# Altium PCB PCB.PcbDoc (part 1 of 2)
Units mm, origin at the board's own origin, x right, y up, seen from the top; angles counter-clockwise.
Board outline 50 x 63.5 mm, 2 copper layers (Top Layer, Bottom Layer), stack 1.509 mm thick; 102 components, 51 nets, 270 pads, 67 vias.
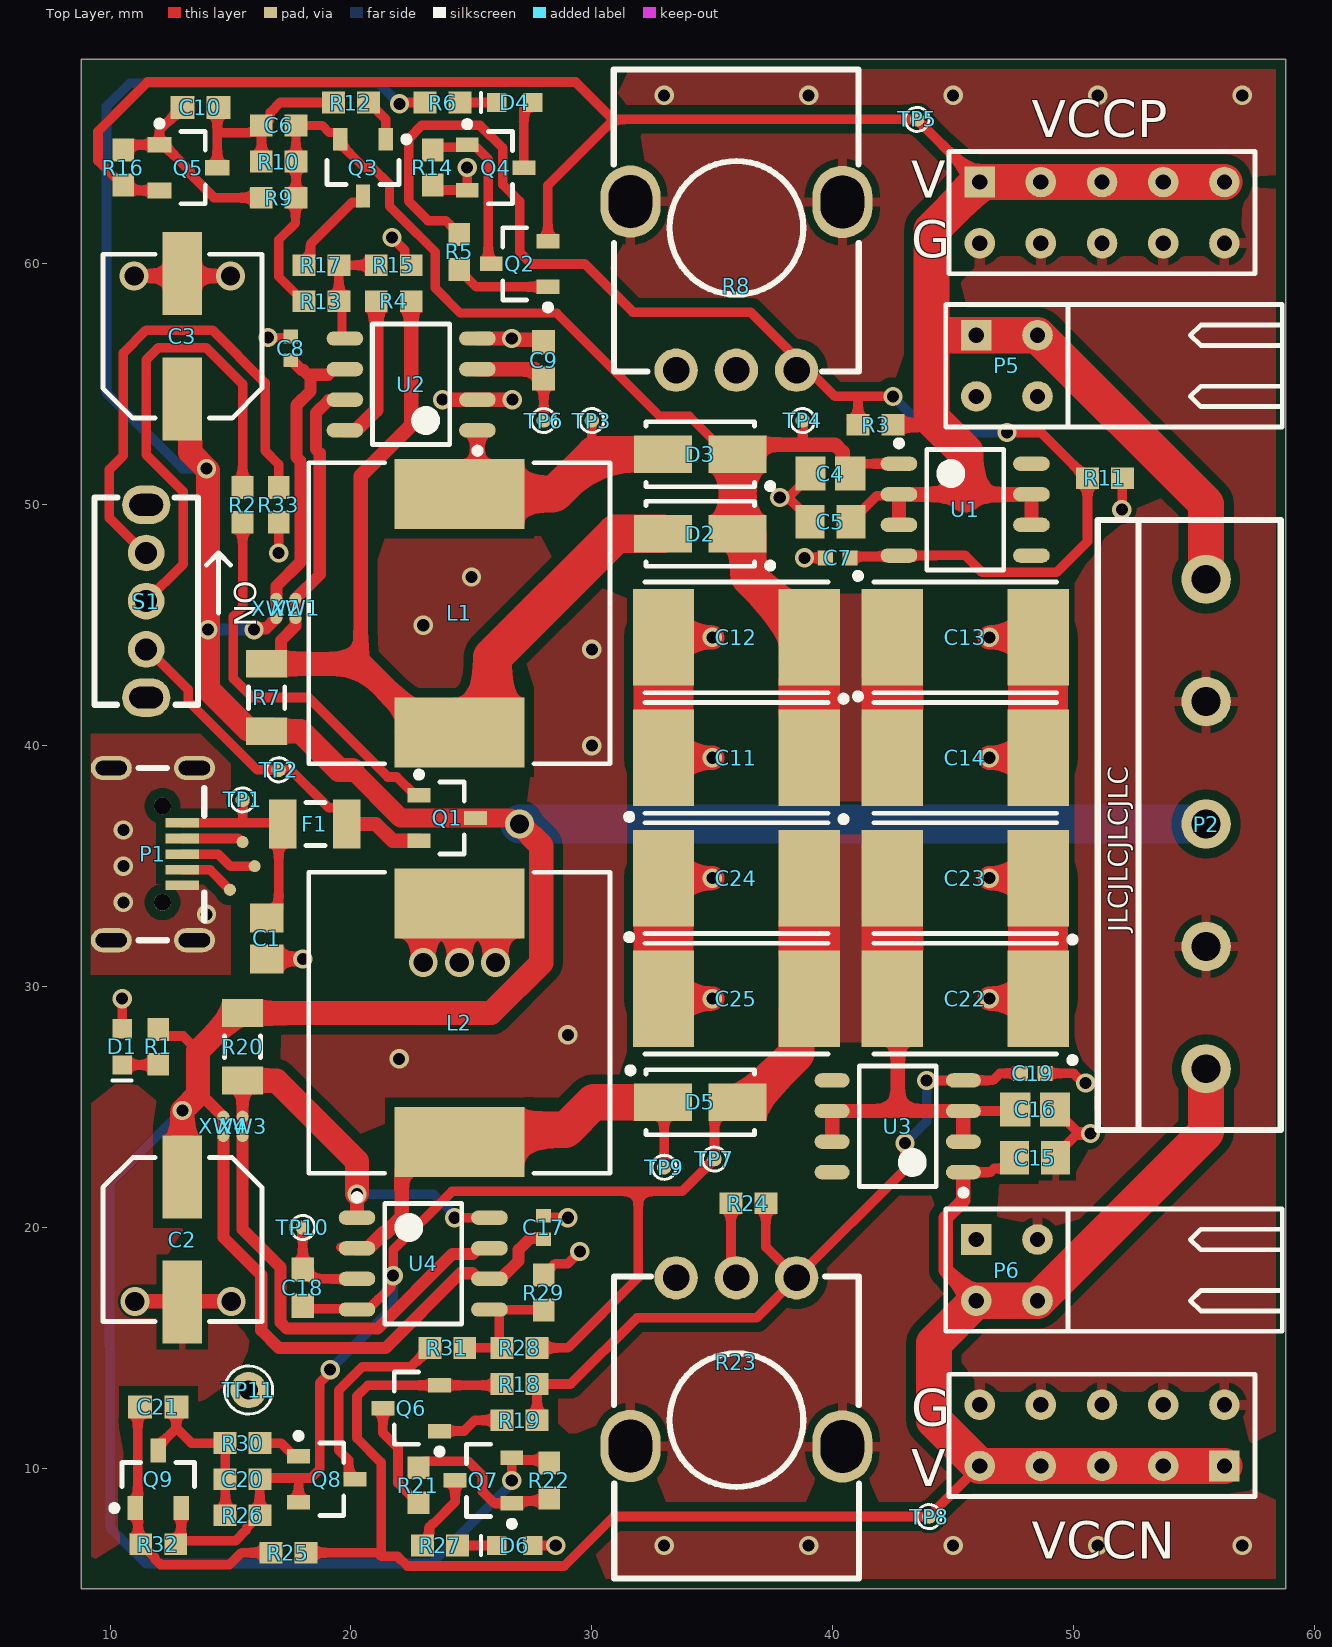
[diagram p0: Top Layer view]
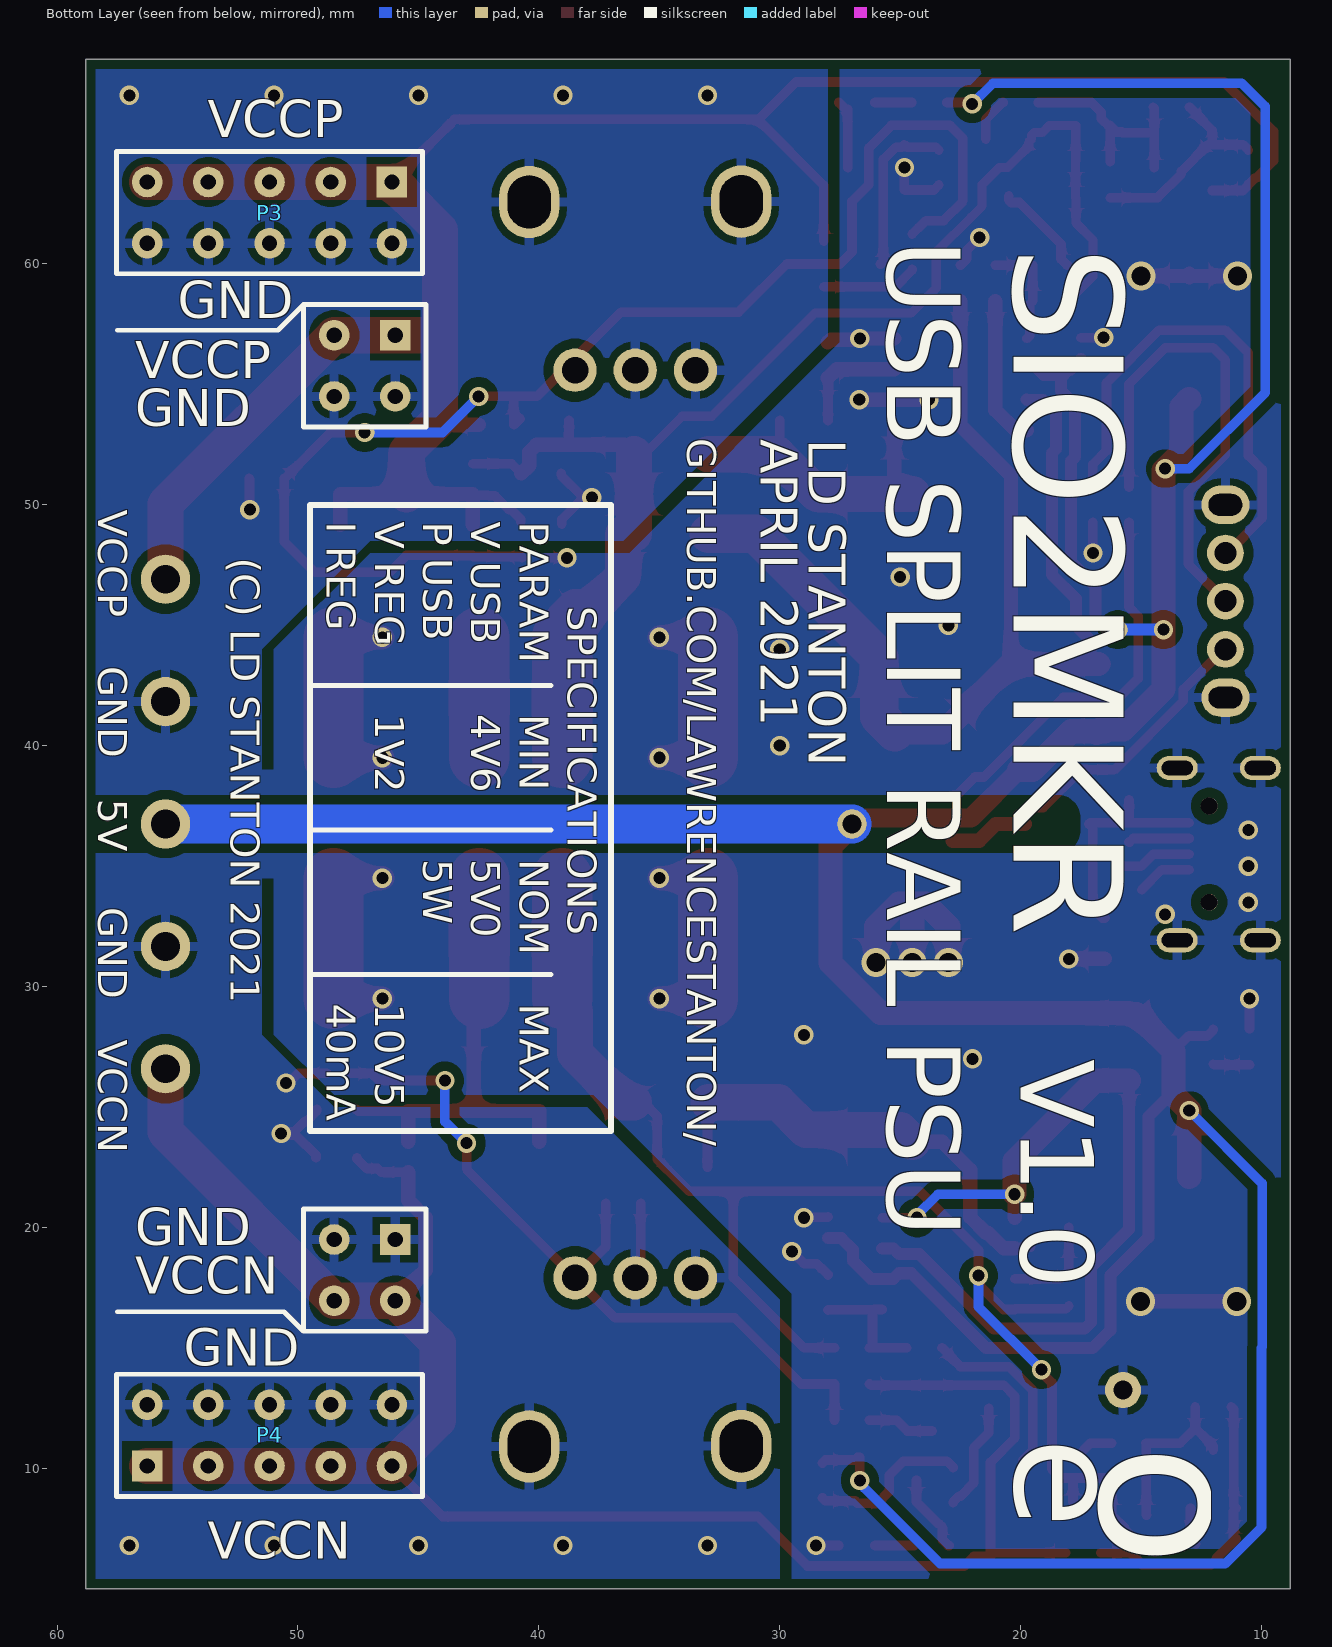
[diagram p1: Bottom Layer view, seen from below]
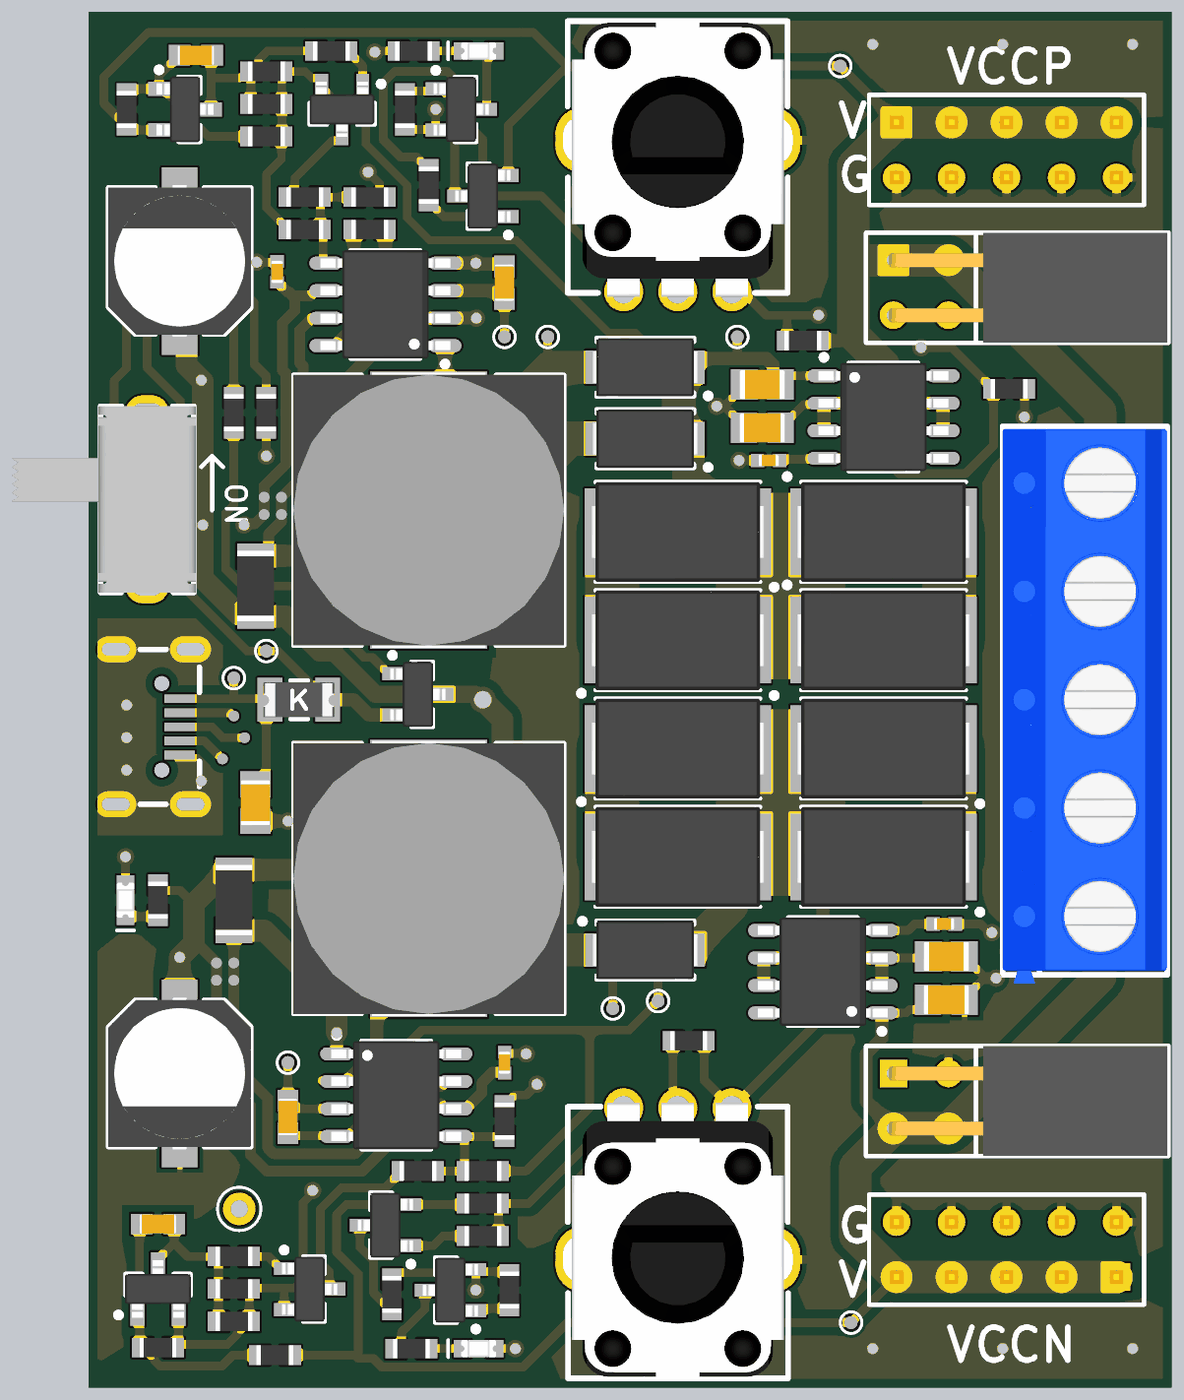
[diagram p3: 3D render of the assembled board from above, using the file's embedded part models]

## Layer stack, top to bottom
Top Solder: solder mask 0.0254, SM-001, Dk 4
Top Layer: signal copper 0.035
Dielectric 1: core 1.4392, FR-4, Dk 4.5
Bottom Layer: signal copper 0.035
Bottom Solder: solder mask 0.0254, SM-001, Dk 4

## Board outline
8.8,5 8.8,68.5 58.8,68.5 58.8,5

## Design rules (kind name [scope] priority, off if disabled: settings)
BoardOutlineClearance [All] p1: gap=0.4 ignorepadtopadclearanceinfootprint=FALSE except(0.2: Text-OutlineEdge Text-CavityEdge Text-CutoutEdge Text-SplitBarrior Text-SplitContinuation)
Clearance "PTH to Track" [(PadIsPlated = 'True') and (HoleSize > 0) vs IsTrack = 'True'] p1: gap=0.33 ignorepadtopadclearanceinfootprint=TRUE
Clearance "NPTH to Track" [(PadIsPlated = 'False') and (HoleSize > 0) vs IsTrack = 'True'] p2: gap=0.254 ignorepadtopadclearanceinfootprint=TRUE
Clearance "Clearance Different Nets" [All] p3: gap=0.4 ignorepadtopadclearanceinfootprint=TRUE except(0.127: Arc-Arc Arc-Track Track-Track SMDPad-SMDPad; 0.15: Arc-Text Track-Text SMDPad-THPad SMDPad-Via SMDPad-Text SMDPad-Hole THPad-Via THPad-Text THPad-Hole Via-Text Via-Hole Fill-Text Poly-Text Region-Text Text-Text Text-Hole; 0.2: Arc-SMDPad Track-SMDPad; 0.254: Arc-Via Arc-Hole Track-Via Track-Hole Via-Via; 0.33: Arc-THPad Track-THPad; 0.5: THPad-THPad)
Clearance "Clearance Same Nets" [All] p4: gap=0.15 ignorepadtopadclearanceinfootprint=TRUE except(0.2: Arc-SMDPad Track-SMDPad; 0.254: Arc-Via Arc-Hole Track-Via Track-Hole Via-Via; 0.33: Arc-THPad Track-THPad)
ComponentClearance "Clearnance SOIC-(0402, 0603, 0805, 1206)" [IsSOIC vs HasFootprint('0402_050') OR HasFootprint('0402_050_5_N') OR  HasFootprint('0603_080_8_N') OR HasFootprint('0603_080_8_N') OR HasFootprint('0605_065_A_N') OR HasFootprint('0805') OR  HasFootprint('0805_125_F_N') OR HasFootprint('1206') OR  HasFootprint('1206_060')] p1: gap=0.4 collisioncheckmode=3 verticalgap=0.254 showdistances=FALSE
ComponentClearance "Clearnance SOT-(0402, 0603, 0805, 1206)" [HasFootprint('SOT-23-3 (2N7002)') OR HasFootprint('SOT-23-3 Generic') vs HasFootprint('0402_050') OR HasFootprint('0402_050_5_N') OR  HasFootprint('0603_080_8_N') OR HasFootprint('0603_080_8_N') OR HasFootprint('0605_065_A_N') OR HasFootprint('0805') OR  HasFootprint('0805_125_F_N') OR HasFootprint('1206') OR  HasFootprint('1206_060')] p2: gap=0.2 collisioncheckmode=3 verticalgap=0.254 showdistances=FALSE
ComponentClearance "Clearnance SOT-(SOIC, SOT)" [HasFootprint('SOT-23-3 (2N7002)') OR HasFootprint('SOT-23-3 Generic') vs IsSOIC OR HasFootprint('SOT-23-3 (2N7002)') OR HasFootprint('SOT-23-3 Generic')] p3: gap=0.2 collisioncheckmode=3 verticalgap=0.254 showdistances=FALSE
ComponentClearance "Clearnance SOIC-SOIC" [IsSOIC vs IsSOIC] p4: gap=0.5 collisioncheckmode=3 verticalgap=0.254 showdistances=FALSE
ComponentClearance "Clearance 0603-(0402, 0603)" [HasFootprint('0603_080_8_N') OR HasFootprint('0603_080_8_N') OR HasFootprint('0605_065_A_N') vs HasFootprint('0402_050') OR HasFootprint('0402_050_5_N') OR HasFootprint('0603_080_8_N') OR HasFootprint('0603_080_8_N') OR HasFootprint('0605_065_A_N')] p5: gap=0.18 collisioncheckmode=3 verticalgap=0.254 showdistances=FALSE
ComponentClearance "Clearance 0805-(0603, 0805)" [HasFootprint('0805') OR  HasFootprint('0805_125_F_N') vs HasFootprint('0603_080_8_N') OR HasFootprint('0603_080_8_N') OR HasFootprint('0605_065_A_N') OR HasFootprint('0805') OR  HasFootprint('0805_125_F_N')] p6: gap=0.18 collisioncheckmode=3 verticalgap=0.254 showdistances=FALSE
ComponentClearance "Clearance 1206-(0402, 0603, 0805)" [HasFootprint('1206') OR  HasFootprint('1206_060') vs HasFootprint('0402_050') OR HasFootprint('0402_050_5_N') OR  HasFootprint('0603_080_8_N') OR HasFootprint('0603_080_8_N') OR HasFootprint('0605_065_A_N') OR HasFootprint('0805') OR  HasFootprint('0805_125_F_N')] p7: gap=0.25 collisioncheckmode=3 verticalgap=0.254 showdistances=FALSE
ComponentClearance "Clearance 1206-1206" [HasFootprint('1206') OR  HasFootprint('1206_060') vs HasFootprint('1206') OR  HasFootprint('1206_060')] p8: gap=0.35 collisioncheckmode=3 verticalgap=0.254 showdistances=FALSE
ComponentClearance "Clearance 0805-0402" [HasFootprint('0805') OR HasFootprint('0805_125_F_N') vs HasFootprint('0402_050') OR HasFootprint('0402_050_5_N')] p9: gap=0.2 collisioncheckmode=3 verticalgap=0.254 showdistances=FALSE
ComponentClearance "Clearance 0402-0402" [(HasFootprint('0402_050') or HasFootprint('0402_050_5_N')) vs (HasFootprint('0402_050') OR HasFootprint('0402_050_5_N'))] p10: gap=0.15 collisioncheckmode=3 verticalgap=0.15 showdistances=FALSE
ComponentClearance [All] p11: gap=0.254 collisioncheckmode=3 verticalgap=0.254 showdistances=FALSE
DiffPairsRouting [All] p1: maxlimit=0.5 minlimit=0.2 mostfreqgap=0.3 toplayer_minwidth=0.3 toplayer_maxwidth=0.5 toplayer_prefwidth=0.5 bottomlayer_minwidth=0.3 bottomlayer_maxwidth=0.5 bottomlayer_prefwidth=0.5 maxuncoupledlength=12.7
HoleSize "Plated Slot" [(PadIsPlated = 'True') and (HoleType = 'Slot')] p1: absolutevalues=TRUE maxlimit=6.5 minlimit=0.65 maxpercent=80.000 minpercent=20.000
HoleSize "Nonplated Slot" [(PadIsPlated = 'False') and (HoleType = 'Slot')] p2: absolutevalues=TRUE maxlimit=6.5 minlimit=1 maxpercent=80.000 minpercent=20.000
HoleSize "NPTH Hole Size" [PadIsPlated = 'False'] p3: absolutevalues=TRUE maxlimit=6.5 minlimit=0.5 maxpercent=80.000 minpercent=20.000
HoleSize "PTH Hole Size" [PadIsPlated = 'True'] p4: absolutevalues=TRUE maxlimit=6.35 minlimit=0.2 maxpercent=80.000 minpercent=20.000
HoleSize "THT Hole Size" [IsPad] p5: absolutevalues=TRUE maxlimit=6.35 minlimit=0.7 maxpercent=80.000 minpercent=20.000
HoleSize [All] p6: absolutevalues=TRUE maxlimit=6.3 minlimit=0.3 maxpercent=80.000 minpercent=20.000
HoleToHoleClearance [All] p1: gap=0.5 allowstackedmicrovias=FALSE
MinimumAnnularRing "PTH Minimum Annular Ring" [PadIsPlated = 'True'] p1: minimumring=0.3
MinimumAnnularRing [All] p2: minimumring=0.13
MinimumSolderMaskSliver [All] p1: minsoldermaskwidth=0.2
PolygonConnect "No TR" [Name = 'NoTR'] p1: connectstyle=Direct reliefconductorwidth=0.254 reliefentries=4 polygonreliefangle="90 Angle" airgapwidth=0.254
PolygonConnect [All] p2: thpad.connectstyle=Relief thpad.reliefconductorwidth=0.4 thpad.reliefentries=4 thpad.polygonreliefangle="90 Angle" thpad.airgapwidth=0.3 smdpad.connectstyle=Relief smdpad.reliefconductorwidth=0.254 smdpad.reliefentries=4 smdpad.polygonreliefangle="90 Angle" smdpad.airgapwidth=0.254 via.connectstyle=Direct via.reliefconductorwidth=0.254 via.reliefentries=4 via.polygonreliefangle="90 Angle" via.airgapwidth=0.254
RoutingVias [All] p1: holewidth=0.5 width=0.8 viastyle="Through Hole" minholewidth=0.3 minwidth=0.6 maxholewidth=1 maxwidth=1.2
SilkToSolderMaskClearance [IsPad] p1 off: minsilkscreentomaskgap=0.254 clearancetoexposedcopper=TRUE
SolderMaskExpansion [All] p1: expansion=0.1 istentingtop=FALSE
Width [All] p1: maxlimit=2.5 minlimit=0.127 preferedwidth=0.4 minimp=50.000000 maximp=50.000000 favimp=50.000000
24 further rules are at their usual default settings.

## Classes and differential pairs
differential pair INV_VCC: +INV_VCC_P -INV_VCC_N
differential pair BOOST_VCC: +BOOST_VCC_P -BOOST_VCC_N

## Components (designator, comment, footprint, x,y, rotation, side; value= is the part's Value field where it differs from the comment)
C1 "CL21B103KBANNNC" 0605_065_A_N 16.5,32 r270 top value=10nF
C2 "RVT1A221M0605" "CAPAE 6354" 13,19.5 r90 top value=220uF
C3 "RVT1A221M0605" "CAPAE 6354" 13,57 r270 top value=220uF
C4 "CC0805KRX7R9BB104" 0805 39.9,51.3 r180 top value=100nF
C5 "CL21B105KBFNNNE" 0805_125_F_N 39.9,49.3 r180 top value=1uF
C6 "CC0603KRX7R9BB104" 0603 17,65.75 r180 top value=100nF
C7 "0402CG3R3C500NT" 0402_050 40.2,47.8 r180 top value=3.3pF
C8 "CL05B104KO5NNNC" 0402_050_5_N 17.5,56.5 r90 top value=100nF
C9 "CL10A105KB8NNNC" 0603_080_8_N 28,56 r90 top value=1uF
C10 "CL10C100JB8NNNC" 0603_080_8_N 13.75,66.5 r0 top value=10pF
C11 "293D107X9016D2TE3" "CASE D" 36,39.5 r0 top value=100uF
C12 "293D107X9016D2TE3" "CASE D" 36,44.5 r0 top value=100uF
C13 "293D107X9016D2TE3" "CASE D" 45.5,44.5 r180 top value=100uF
C14 "293D107X9016D2TE3" "CASE D" 45.5,39.5 r180 top value=100uF
C15 "CL21B105KBFNNNE" 0805_125_F_N 48.4,22.9 r0 top value=1uF
C16 "CC0805KRX7R9BB104" 0805 48.4,24.9 r0 top value=100nF
C17 "CL05B104KO5NNNC" 0402_050_5_N 28,20 r90 top value=100nF
C18 "CL10A105KB8NNNC" 0603_080_8_N 18,17.5 r270 top value=1uF
C19 "0402CG3R3C500NT" 0402_050 48.3,26.4 r0 top value=3.3pF
C20 "CC0603KRX7R9BB104" 0603 15.5,9.55 r180 top value=100nF
C21 "CL10C100JB8NNNC" 0603_080_8_N 12,12.55 r0 top value=10pF
C22 "293D107X9016D2TE3" "CASE D" 45.5,29.5 r0 top value=100uF
C23 "293D107X9016D2TE3" "CASE D" 45.5,34.5 r0 top value=100uF
C24 "293D107X9016D2TE3" "CASE D" 36,34.5 r180 top value=100uF
C25 "293D107X9016D2TE3" "CASE D" 36,29.5 r180 top value=100uF
D1 "19-217/GHC-YR1S2/3T" "LED 0603" 10.5,27.5 r270 top
D2 "SS34" DO-214AC 34.5,48.8 r0 top
D3 "SS34" DO-214AC 34.5,52.1 r0 top
D4 "19-217/GHC-YR1S2/3T" "LED 0603" 26.8,66.7 r180 top
D5 "SS34" DO-214AC 34.5,25.2 r180 top
D6 "19-217/GHC-YR1S2/3T" "LED 0603" 26.8,6.8 r180 top
F1 "12H1300C" 1206_060 18.5,36.75 r0 top
L1 "SWRB1207S-331MT" SWRB1207S 24.5,45.5 r90 top value=330uH
L2 "SWRB1207S-331MT" SWRB1207S 24.5,28.5 r270 top value=330uH
P1 "MICRO 4P DIP" "MICRO 4P DIP" 13,35.5 r270 top
P2 "CZM5,08-4E" "Screw Down 5" 55.5,36.75 r270 top
P3 "A2541WV-2x5P" "Pin Header 10 2 Vertical Male" 51.18,62.13 r270 bottom locked
P4 "A2541WV-2x5P" "Pin Header 10 2 Vertical Male" 51.18,11.37 r90 bottom locked
P5 "A2541HWR-2x2P" "PIN HEADER 4 2 RIGHT FEMALE" 47.23,55.77 r0 top
P6 "A2541HWR-2x2P" "PIN HEADER 4 2 RIGHT FEMALE" 47.23,18.23 r0 top
Q1 "AO3401A" "SOT-23-3 (2N7002)" 24,37 r180 top
Q2 "LBSS84LT1G" "SOT-23-3 (2N7002)" 27,60 r0 top
Q3 "LBSS84LT1G" "SOT-23-3 (2N7002)" 20.5,64 r90 top
Q4 "2N7002" "SOT-23-3 (2N7002)" 26,64 r180 top
Q5 "SS8050" "SOT-23-3 GENERIC" 13.25,64 r180 top
Q6 "2N7002" "SOT-23-3 (2N7002)" 22.5,12.5 r0 top
Q7 "LBSS84LT1G" "SOT-23-3 (2N7002)" 25.5,9.5 r0 top
Q8 "2N7002" "SOT-23-3 (2N7002)" 19,9.55 r180 top
Q9 "SS8050" "SOT-23-3 GENERIC" 12,9.55 r270 top
R1 "0603WAF3300T5E" 0603 12,27.5 r270 top value=330R
R2 "0603WAF1002T5E" 0603 15.5,50 r270 top value=10K
R3 "0603WAF2400T5E" 0603 41.775,53.32 r180 top value=240R
R4 "0603WAF1200T5E" 0603 21.775,58.45 r180 top value=120R
R5 "0603WAF1200T5E" 0603 24.5,60.5 r270 top value=120R
R6 "0603WAF3300T5E" 0603 23.8,66.7 r180 top value=330R
R7 "1206W4F680LT5E" 1206 16.5,42 r270 top value=0R68
R8 "RK09K1130AU2" RK09K113 36,61.5 r0 top
R9 "0603WAF2702T5E" 0603 17,62.75 r180 top value=27K
R10 "0603WAF2702T5E" 0603 17,64.25 r180 top value=27K
R11 "0603WAF2701T5E" 0603 51.3,51.1 r0 top value=2K7
R12 "0603WAF1002T5E" 0603 20,66.7 r0 top value=10K
R13 "0603WAF5601T5E" 0603 18.775,58.45 r180 top value=5K6
R14 "0603WAF1003T5E" 0603 23.4,64 r90 top value=100K
R15 "0603WAF5602T5E" 0603 21.775,59.95 r0 top value=56K
R16 "0603WAF8201T5E" 0603 10.55,64 r270 top value=8K2
R17 "0603WAF5601T5E" 0603 18.775,59.95 r180 top value=5K6
R18 "0603WAF2400T5E" 0603 27,13.5 r0 top value=240R
R19 "0603WAF1200T5E" 0603 27,12 r180 top value=120R
R20 "1206W4F680LT5E" 1206 15.5,27.5 r90 top value=0R68
R21 "0603WAF1002T5E" 0603 22.8,9.3 r90 top value=10K
R22 "0603WAF1003T5E" 0603 28.225,9.5 r90 top value=100K
R23 "RK09K1130AU2" RK09K113 36,12 r180 top
R24 "0603WAF2701T5E" 0603 36.5,21 r180 top value=2K7
R25 "0603WAF2702T5E" 0603 17.4,6.5 r180 top value=27K
R26 "0603WAF2702T5E" 0603 15.5,8.05 r180 top value=27K
R27 "0603WAF3300T5E" 0603 23.7,6.8 r0 top value=330R
R28 "0603WAF5601T5E" 0603 27,15 r0 top value=5K6
R29 "0603WAF5602T5E" 0603 28,17.3 r90 top value=56K
R30 "0603WAF1002T5E" 0603 15.5,11.05 r0 top value=10K
R31 "0603WAF5601T5E" 0603 24,15 r0 top value=5K6
R32 "0603WAF8201T5E" 0603 12,6.85 r0 top value=8K2
R33 "0603WAF1200T5E" 0603 17,50 r90 top value=120R
S1 "SK12D07L4B" SK12D07L4B 11.5,46 r270 top
TP1 "Test Point" "Test Point 0.6" 15.5,37.75 r90 top
TP2 "Test Point" "Test Point 0.6" 17,39 r90 top
TP3 "Test Point" "Test Point 0.6" 30,53.5 r90 top
TP4 "Test Point" "Test Point 0.6" 38.75,53.5 r90 top
TP5 "Test Point" "Test Point 0.6" 43.5,66 r90 top
TP6 "Test Point" "Test Point 0.6" 28,53.5 r90 top
TP7 "Test Point" "Test Point 0.6" 35.09,22.84 r90 top
TP8 "Test Point" "Test Point 0.6" 44,8 r90 top
TP9 "Test Point" "Test Point 0.6" 33,22.5 r90 top
TP10 "Test Point" "Test Point 0.6" 18,20 r90 top
TP11 "Test Point" "Test Point 0.8 TH" 15.75,13.25 r90 top
U1 "LM317LBDR2G" "SOIC-8 NB" 45.5,49.8 r270 top
U2 "MC34063ADR2G" "SOIC-8 NB" 22.5,55 r90 top
U3 "LM337LMX" "SOIC-8 D (R-PDSO-G8)" 42.7,24.2 r90 top
U4 "MC34063ADR2G" "SOIC-8 NB" 23,18.5 r270 top
XW1 "Short 2 Nets" "Short 0.5mm 2 Net" 17.7,45.7 r270 top net-tie value=0
XW2 "Short 2 Nets" "Short 0.5mm 2 Net" 16.9,45.7 r270 top net-tie value=0
XW3 "Short 2 Nets" "Short 0.5mm 2 Net" 15.5,24.2 r90 top net-tie value=0
XW4 "Short 2 Nets" "Short 0.5mm 2 Net" 14.7,24.2 r90 top net-tie value=0

## Footprints (in the part's own frame and the unit in brackets; to place one, negate y for a bottom-side part, rotate by r counter-clockwise, add the part's x,y. Pads: shape width x height; smd on the part's side, far side on the other; paste and mask are expansions set on the pad)
0402_050 [mm] "Chip Capacitor, 2-Leads, Body 1,00x0,50mm, IPC Medium Density"
  rect 0.62x0.62 smd: 1(-0.51,0) 2(0.51,0)
  body extent -0.48,-0.28 0.48,0.28, height 0.55
0402_050_5_N [mm] "Chip Capacitor, 2-Leads, Body 1,00x0,50mm, IPC Medium Density"
  rect 0.57x0.62 smd: 1(-0.485,0) 2(0.485,0)
  body extent -0.53,-0.28 0.53,0.28, height 0.55
0603 [mm] "Chip Resistor, 2-Leads, Body 1,60x0,80mm, IPC Medium Density"
  rect 0.95x0.9 smd: 1(-0.725,0) 2(0.725,0)
  body extent -0.85,-0.45 0.85,0.45, height 0.55
0603_080_8_N [mm] "Chip Capacitor, 2-Leads, Body 1,60x0,80mm, IPC Medium Density"
  rect 1x0.95 smd: 1(-0.75,0) 2(0.75,0)
  body extent -0.85,-0.45 0.85,0.45, height 0.9
0605_065_A_N [mm] "Chip Capacitor, 2-Leads, Body 2,00x1,25mm, IPC Medium Density"
  rect 1.2x1.4 smd: 1(-0.85,0) 2(0.85,0)
  body extent -1.05,-0.67 1.05,0.67, height 0.75
0805 [mm] "Chip Capacitor, 2-Leads, Body 2,00x1,25mm, IPC Medium Density"
  rect 1.25x1.4 smd: 1(-0.825,0) 2(0.825,0)
  body extent -1.05,-0.67 1.05,0.67, height 0.9
0805_125_F_N [mm] "Chip Capacitor, 2-Leads, Body 2,00x1,25mm, IPC Medium Density"
  rect 1.2x1.4 smd: 1(-0.85,0) 2(0.85,0)
  body extent -1.05,-0.67 1.05,0.67, height 1.35
1206 [mm] "Chip Resistor, 2-Leads, Body 3,10x1,58mm, IPC Medium Density"
  rect 1.15x1.7 smd: 1(-1.4,0) 2(1.4,0)
  silkscreen extent -0.45,-0.75 0.45,0.75, body extent -1.63,-0.85 1.63,0.85, height 0.65
1206_060 [mil] "Fuse 1206 0.6mm"
  rect 45x80 smd: 1(-52.5,0) 2(52.5,0)
  silkscreen extent -15,-35 16,35, body extent -65,-32 65,32, height 32
"CAPAE 6354" [mm] "Aluminum Electrolytic Capacitor, Body 6,60x6,50x5,90mm, IPC Low Density"
  rect 3.45x1.65 smd: 1(2.6,0) 2(-2.6,0)
  silkscreen extent -3.4,-3.3 3.4,3.3, body extent -3.5,-3.3 3.5,3.3, height 5.9
"CASE D" [mm] "Molded Capacitor, 2-Leads, Body 7,30x4,30mm, IPC Medium Density"
  rect 2.55x4 smd: 1(3.025,0) 2(-3.025,0)
  silkscreen extent -3.8,-2.67 4.58,2.3, body extent -4.02,-2.3 4.02,2.3, height 3.1
DO-214AC [mm] "Molded Diode, 2-Leads, Body 4,25x2,50mm, IPC Medium Density"
  rect 2.4x1.55 smd: 1(1.55,0) 2(-1.55,0)
  silkscreen extent -2.25,-1.45 3.03,1.35, body extent -2.47,-1.35 2.47,1.35, height 2.2
"LED 0603" [mm] "Chip LED, 2-Leads, Body 1,60x0,80mm, IPC Medium Density"
  rect 0.8x0.8 smd: A(0.75,0) K(-0.75,0)
  silkscreen extent 1.4,-0.4 1.4,0.4, body extent -0.8,-0.4 0.8,0.4, height 0.8
"MICRO 4P DIP" [mm] "Micro USB Connector SMT with TH Mounts"
  rect 0.4x1.4 smd: 1(-1.3,0) 2(-0.65,0) 3(0,0) 4(0.65,0) 5(1.3,0)
  oval 1x1.7 hole 0.6 slot 1.3 at 90 deg: 6(-3.575,0.5) 6(-3.575,-2.95) 6(3.575,0.5) 6(3.575,-2.95)
  round 0.7 hole 0.7 unplated: ""(-2,-0.825) ""(2,-0.825)
  silkscreen extent -3.57,-1.82 3.57,0.91, body extent -4,-5.5 4,1.1, height 2.77
"PIN HEADER 4 2 RIGHT FEMALE" [mm] "Pin Header 4 Way Double Row Female Right Anglel 100mil Spacing"
  rect 1.27x1.27 hole 0.635: 1(-1.27,1.27)
  round 1.27 hole 0.635: 2(1.27,1.27) 3(-1.27,-1.27) 4(1.27,-1.27)
  silkscreen extent -2.54,-2.54 11.43,2.54, body extent -1.47,-2.54 11.37,2.54, height 5.13
"Pin Header 10 2 Vertical Male" [mm] "Pin Header 10 Way Double Row Male Verical 100mil Spacing"
  rect 1.27x1.27 hole 0.635: 1(-1.27,5.08)
  round 1.27 hole 0.635: 2(1.27,5.08) 3(-1.27,2.54) 4(1.27,2.54) 5(-1.27,0) 6(1.27,0) 7(-1.27,-2.54) 8(1.27,-2.54) 9(-1.27,-5.08) 10(1.27,-5.08)
  silkscreen extent -2.54,-6.35 2.54,6.35, body extent -2.54,-6.35 2.54,6.35, height 9.5
RK09K113 [mm] "Through Hole Potentiometer Vertical"
  round 1.8 hole 1.1: 1(-2.5,-5.913) 2(0,-5.913) 3(2.5,-5.913)
  oval 2.5x3 hole 1.8 slot 2.2 at 90 deg: 4(-4.4,1.087) 5(4.4,1.072)
  silkscreen extent -5.09,-5.97 5.08,6.57, body extent -5.7,-6.15 5.7,6.5, height 15.01
"Screw Down 5" [mm] "Scre Down 5 Terminal"
  round 2.05 hole 1.2: 1(-10.16,0) 2(-5.08,0) 3(0,0) 4(5.08,0) 5(10.16,0)
  silkscreen extent -12.62,-4.5 12.7,3.1, body extent -12.5,-4.5 13.1,3.1, height 10.1
"Short 0.5mm 2 Net" [mm] "Net Tie 0.5mm Width 2 Nets"
  round 0.5 smd mask+0: 1(-0.4,0) 2(0.4,0)
  Top Layer lines w0.5: 0.4,0 -0.4,0
SK12D07L4B [mil] "Through Hile Toggle Slide Switch"
  round 60 hole 36: 1(-78.74,0) 2(0,0) 3(78.74,0)
  oval 62.99x78.74 hole 35.43 slot 55.12 at 90 deg: EH(-157.48,0) EH(157.48,0)
  silkscreen extent -169,-85 169,85, body extent -169,-246 169,89, height 187
"SOIC-8 D (R-PDSO-G8)" [mm] "SOIC, 8-Leads, Body 4,90x3,90mm, Pitch 1,27mm, IPC Medium Density"
  oval 0.6x1.45 smd: 1(-1.905,-2.725) 2(-0.635,-2.725) 3(0.635,-2.725) 4(1.905,-2.725) 5(1.905,2.725) 6(0.635,2.725) 7(-0.635,2.725) 8(-1.905,2.725)
  silkscreen extent -2.88,-2.85 2.5,1.6, body extent -2.5,-3 2.5,3, height 1.75
"SOIC-8 NB" [mm] "SOIC, 8-Leads, Body 4,90x3,90mm, Pitch 1,27mm, IPC Medium Density"
  oval 0.6x1.52 smd: 1(-1.905,-2.75) 2(-0.635,-2.75) 3(0.635,-2.75) 4(1.905,-2.75) 5(1.905,2.75) 6(0.635,2.75) 7(-0.635,2.75) 8(-1.905,2.75)
  silkscreen extent -2.88,-2.87 2.5,1.6, body extent -2.5,-3 2.5,3, height 1.75
"SOT-23-3 (2N7002)" [mm] "SOT23, 3-Leads, Body 2,90x2,40mm, Pitch 0,95mm, IPC Medium Density"
  rect 0.95x0.6 smd: 1(1.175,-0.95) 2(1.175,0.95) 3(-1.175,0)
  silkscreen extent -0.7,-1.92 1.3,1.5, body extent -1.28,-1.5 1.28,1.5, height 1.15
"SOT-23-3 GENERIC" [mm] "SOT23, 3-Leads, Body 2,92x2,37mm, Pitch 0,95mm, IPC Medium Density"
  rect 1x0.65 smd: 1(1.2,-0.95) 2(1.2,0.95) 3(-1.2,0)
  silkscreen extent -0.7,-1.95 1.32,1.5, body extent -1.32,-1.52 1.32,1.52, height 1.12
SWRB1207S [mm] "Precision Wire Wound Inductor, 2-Leads, Body 12,50x12,50mm, IPC Medium Density"
  rect 2.9x5.4 smd: 1(-4.95,0) 2(4.95,0)
  silkscreen extent -6.25,-6.25 6.25,6.25, body extent -6.35,-6.25 6.35,6.25, height 8.1
"Test Point 0.6" [mm] "Test Point 0.6mm w/ Silk Circle"
  round 0.6 smd: 1(0,0)
  silkscreen extent -0.5,-0.5 0.5,0.5
"Test Point 0.8 TH" [mm] "Test Point 0.6mm w/ Silk Circle"
  round 1.5 hole 0.8: 1(0,0)
  silkscreen extent -1,-1 1,1

## Part data
C1: library part "MLCC 10nF 0805 50V X7R", "MLCC 10nF 0805 50V X7R ±10%", Dielectric=X7R, LCSC Part Number=C1710, Package=0805, Supplier Part Number 1=1276-1015-1-ND, Tolerance=±10%, Voltage=50V, ComponentLink1Description=Datasheet, ComponentLink1URL=https://datasheet.lcsc.com/szlcsc/Samsung-Electro-Mechanics-CL05C100JB5NNNC_C32949.pdf, Populate=CRITICAL, Supplier 1=Digi-Key
C2 C3: library part "Cap AlEl 220uF 10V", "Aluminium Electrolytic Capacitor 220uF CAPAE 10V ±20%", Dielectric=AlEl, LCSC Part Number=C3345, Manufacturer="Honor Elec", Package=CAPAE, Tolerance=±20%, Voltage=10V, ComponentLink1Description=Datasheet, ComponentLink1URL=https://datasheet.lcsc.com/szlcsc/Samsung-Electro-Mechanics-CL05C100JB5NNNC_C32949.pdf, Populate=CRITICAL
C4 C16: library part "MLCC 100nF 50V 0805 X7R", "MLCC 100nF 50V 0805 X7R ±10%", Dielectric=X7R, LCSC Part Number=C49678, Package=0805, Tolerance=±10%, Voltage=50V, ComponentLink1Description=Datasheet, ComponentLink1URL=https://datasheet.lcsc.com/szlcsc/YAGEO-CC0603KRX7R9BB104_C14663.pdf, Populate=DNP
C5 C15: library part "MLCC 1uF 0805 50V X7R", "MLCC 1uF 0805 50V X7R ±10%", Dielectric=X7R, LCSC Part Number=C15849, Package=0805, Supplier Part Number 1=1276-1029-1-ND, Tolerance=±10%, Voltage=50V, ComponentLink1Description=Datasheet, ComponentLink1URL=https://datasheet.lcsc.com/szlcsc/Samsung-Electro-Mechanics-CL05C100JB5NNNC_C32949.pdf, Populate=CRITICAL, Supplier 1=Digi-Key, Supplier 2=Digi-Key, Supplier Part Number 2=1276-1026-1-ND
C6 C20: library part "MLCC 100nF 50V 0603 X7R", "MLCC 100nF 50V 0603 X7R ±10%", Dielectric=X7R, LCSC Part Number=C14663, Package=0603, Supplier Part Number 1=311-1344-6-ND, Tolerance=±10%, Voltage=50V, ComponentLink1Description=Datasheet, ComponentLink1URL=https://datasheet.lcsc.com/szlcsc/YAGEO-CC0603KRX7R9BB104_C14663.pdf, Populate=CRITICAL, Supplier 1=Digi-Key
C7 C19: library part "MLCC 3.3pF 0402 50V C0G", "MLCC 3.3pF 0402 50V C0G ±0.25pF", Dielectric=C0G, LCSC Part Number=C1565, Package=0402, Tolerance=±0.25pF, Voltage=50V, ComponentLink1Description=Datasheet, ComponentLink1URL=https://datasheet.lcsc.com/szlcsc/Guangdong-Fenghua-Advanced-Tech-0402B102K500NT_C1523.pdf, Populate=CRITICAL
C8 C17: library part "MLCC 100nF 0402 16V X7R", "MLCC 100nF 0402 16V X7R ±10%", Dielectric=X7R, LCSC Part Number=C1525, Package=0402, Tolerance=±10%, Voltage=16V, ComponentLink1Description=Datasheet, ComponentLink1URL=https://datasheet.lcsc.com/szlcsc/Samsung-Electro-Mechanics-CL05C100JB5NNNC_C32949.pdf, Populate=CRITICAL
C9 C18: library part "MLCC 1uF 0603 50V X5R", "MLCC 1uF 0603 50V X5R ±10%", Dielectric=X5R, LCSC Part Number=C15849, Package=0603, Supplier Part Number 1=1276-1860-1-ND, Tolerance=±10%, Voltage=50V, ComponentLink1Description=Datasheet, ComponentLink1URL=https://datasheet.lcsc.com/szlcsc/Samsung-Electro-Mechanics-CL05C100JB5NNNC_C32949.pdf, Populate=CRITICAL, Supplier 1=Digi-Key
C10 C21: library part "MLCC 10pF 0603 50V C0G", "MLCC 10pF 0603 C0G ±0.1pF", Dielectric=C0G, LCSC Part Number=C1634, Package=0603, Supplier Part Number 1=1276-1027-1-ND, Tolerance=±0.1pF, Voltage=50V, ComponentLink1Description=Datasheet, ComponentLink1URL=https://datasheet.lcsc.com/szlcsc/Samsung-Electro-Mechanics-CL05C100JB5NNNC_C32949.pdf, Populate=DNP, Supplier 1=Digi-Key
C11 C12 C13 C14 C22 C23 C24 C25: library part "Cap Tant 100uF 16V", "Tantalum Capacitor 100uF 16V ±20%", Dielectric=Tant, LCSC Part Number=C129696, Manufacturer=Vishay, Package=MOULDED, Tolerance=±20%, Voltage=16V, ComponentLink1Description=Datasheet, ComponentLink1URL=https://datasheet.lcsc.com/szlcsc/Vishay-Intertech-293D107X9016D2TE3_C129696.pdf, Populate=CRITICAL
D1 D4 D6: library part "LED 0603 Green", "LED 0603 SMT Green", Colour=Green, Current=25mA, LCSC Part Number=C72043, Nominal Forward Voltage=3V3, Package=0603, Supplier Part Number 1=638-19217GHCYR1S23T, ComponentLink1Description=Datasheet, ComponentLink1URL=https://datasheet.lcsc.com/szlcsc/Everlight-Elec-19-217-GHC-YR1S2-3T_C72043.pdf, Placement=CRITICAL, Supplier 1=Mouser
D2 D3 D5: "Schottky Barrier Diode 40V 3A0 550mV", LCSC Part Number=C8678, Manufacturer=MDD, Package=DO-214AC, ComponentLink1Description=Datasheet, ComponentLink1URL=https://datasheet.lcsc.com/szlcsc/1903051003_MDD-Jiangsu-Yutai-Elec-SS34_C8678.pdf, DC Forward Curent=3A0, DC Reverse Blocking=40V, Placement=CRITICAL
F1: library part "Fuse 3A Slow 1206", "Fuse SMD Slow Blow 3A 63VAC 1206", Current=3A0, LCSC Part Number=C182445, Package=1206, Voltage=63V, ComponentLink1Description=Datasheet, Placement=CRITICAL, Type="Slow Blow"
L1 L2: library part "Inductor 330uH ±20% 0A95", "Inductor 330uH ±20% 0A95 640mR Moulded SMD 12.5x12.5x8.0mm", DC Resistance=640mR, LCSC Part Number=C169381, Manufacturer=Sunlord, Rated Current=0A95, Tolerance=±20%, ComponentLink1Description=Datasheet, ComponentLink1URL=https://datasheet.lcsc.com/szlcsc/1912111437_Sunlord-MWSA0603S-220MT_C408453.pdf, Populate=CRITICAL, Saturation Current=0A95
P1: "Micro USB Connector SMT with TH Mounts", LCSC Part Number=C456008, Placement=CRITICAL, USB Connector Type="Micro USB"
P2: library part "Screw Down 5 Way 5.08mm", "Screw Down Terminal 5 Way 5.08mm Pitch", Placement=CRITICAL
P3 P4: library part "Pin Header 10 2 Male Vertical", "Pin Header 10 Way Double Row Vertical Angle", LCSC Part Number=C225520, ComponentLink1Description=Datasheet, ComponentLink1URL=https://datasheet.lcsc.com/szlcsc/2010160505_CJT-Changjiang-Connectors-A2541WV-2x5P_C225520.pdf, Placement=CRITICAL, Type=Header
P5 P6: library part "Pin Header 4 2 Female Right", "Pin Header 4 Way Double Row Female Right Angle", Placement=CRITICAL, Type=Header
Q1: "MOSFET Trench 4A0 30V 85mR ±12V P-Channel Enhancement AOS SOT-22-3L", LCSC Part Number=C20917, Package=SOT-23-3, Power=0.9W, ComponentLink2Description=Datasheet, ComponentLink2URL=https://datasheet.lcsc.com/szlcsc/Alpha-Omega-Semicon-AOS-AO3401A_C15127.pdf, Id Max=3A2, Placement=CRITICAL, Rds Max=85mR, VDS Max=-30V, VGS Max=±12V, VGS(th) Max=-1v3
Q2 Q3 Q7: "Small Signal MOSFET, 130 mA, 50 V, P-Channel, Enhancement, LRC SOT-23-3", LCSC Part Number=C8492, Package=SOT-23-3, Power=0.225W, Ciss Typ=30pF, ComponentLink2Description=Datasheet, ComponentLink2URL=https://datasheet.lcsc.com/szlcsc/Leshan-Radio-LBSS84LT1G_C8492.pdf, Coss Typ=10pF, Crss Typ=5pF, Id Max=0.13A, Placement=CRITICAL, Rds Max=10R, VDS Max=-50V, VGS Max=±20V, VGS(th) Max=2V0
Q4 Q6 Q8: "Small Signal MOSFET, 500 mA, 60 V, N-Channel, Enhancement, JCET SOT-23-3", LCSC Part Number=C8545, Package=SOT-23-3, Power=0.225W, Ciss Typ=50pF, ComponentLink2Description=Datasheet, ComponentLink2URL=https://datasheet.lcsc.com/szlcsc/Changjiang-Electronics-Tech-CJ-2N7002_C8545.pdf, Coss Typ=25pF, Crss Typ=5pF, Id Max=0.2A, Placement=CRITICAL, Rds Max=7R, VGS Max=±20V, VGS(th) Max=2V5
Q5 Q9: "BJT NPN 1A5 25V SOT-23-3", Collector Current=1A5, LCSC Part Number=C2150, Manufacturer="Changjiang Electronics", Power=300mW, ComponentLink1Description=Datasheet, ComponentLink1URL=https://datasheet.lcsc.com/szlcsc/Changjiang-Electronics-Tech-CJ-SS8050_C2150.pdf, DC Gain=120-400, Placement=CRITICAL, VCE=25V, VCE(sat)=0V5
R1 R6 R27: library part "Res 330R 0603", "Lead Free Thick Film Chip Resistor 0805 ±1%", LCSC Part Number=C23138, Package=0603, Power=0.1W, Temperature="-55 ~ 155°C", Tolerance=±1%, ComponentLink1Description=Datasheet, ComponentLink1URL=https://datasheet.lcsc.com/szlcsc/1811062009_UNI-ROYAL-Uniroyal-Elec-0603WAF1002T5E_C25804.pdf, Populate=CRITICAL
R2 R12 R21 R30: library part "Res 10K 0603", "Lead Free Thick Film Chip Resistor 0603 ±1%", LCSC Part Number=C25804, Package=0603, Power=0.1W, Temperature="-55 ~ 155°C", Tolerance=±1%, ComponentLink1Description=Datasheet, ComponentLink1URL=https://datasheet.lcsc.com/szlcsc/1811062009_UNI-ROYAL-Uniroyal-Elec-0603WAF1002T5E_C25804.pdf, Populate=CRITICAL
R3 R18: library part "Res 240R 0603", "Lead Free Thick Film Chip Resistor 0603 ±1%", LCSC Part Number=C23350, Package=0603, Power=0.1W, Temperature="-55 ~ 155°C", Tolerance=±1%, ComponentLink1Description=Datasheet, ComponentLink1URL=https://datasheet.lcsc.com/szlcsc/1811062009_UNI-ROYAL-Uniroyal-Elec-0603WAF1002T5E_C25804.pdf, Populate=CRITICAL
R4 R5 R19 R33: library part "Res 120R 0603", "Lead Free Thick Film Chip Resistor 0603 ±1%", LCSC Part Number=C22787, Package=0603, Power=0.1W, Temperature="-55 ~ 155°C", Tolerance=±1%, ComponentLink1Description=Datasheet, ComponentLink1URL=https://datasheet.lcsc.com/szlcsc/1811062009_UNI-ROYAL-Uniroyal-Elec-0603WAF1002T5E_C25804.pdf, Populate=CRITICAL
R7 R20: library part "Res 0R68 1206", "Lead Free Thick Film Chip Resistor 1206 ±1%", LCSC Part Number=C19108, Package=1206, Power=0.25W, Temperature="-55 ~ 155°C", Tolerance=±1%, ComponentLink1Description=Datasheet, ComponentLink1URL=https://datasheet.lcsc.com/szlcsc/1811062009_UNI-ROYAL-Uniroyal-Elec-0603WAF1002T5E_C25804.pdf, Populate=CRITICAL
R8 R23: library part "Pot 5K THT 9.8mm", "5K Potentiometer THT 9.8mm Diameter ±20% 20VDC", LCSC Part Number=C388855, Manufacturer=Alpsalpine, Resistance=5K, Placement=CRITICAL
R9 R10 R25 R26: library part "Res 27K 0603", "Lead Free Thick Film Chip Resistor 0603 ±1%", LCSC Part Number=C22967, Package=0603, Power=0.1W, Temperature="-55 ~ 155°C", Tolerance=±1%, ComponentLink1Description=Datasheet, ComponentLink1URL=https://datasheet.lcsc.com/szlcsc/1811062009_UNI-ROYAL-Uniroyal-Elec-0603WAF1002T5E_C25804.pdf, Populate=CRITICAL
R11 R24: library part "Res 2K7 0603", "Lead Free Thick Film Chip Resistor 0603 ±1%", LCSC Part Number=C13167, Package=0603, Power=0.1W, Temperature="-55 ~ 155°C", Tolerance=±1%, ComponentLink1Description=Datasheet, ComponentLink1URL=https://datasheet.lcsc.com/szlcsc/1811062009_UNI-ROYAL-Uniroyal-Elec-0603WAF1002T5E_C25804.pdf, Populate=CRITICAL
R13 R17 R28 R31: library part "Res 5K6 0603", "Lead Free Thick Film Chip Resistor 0603 ±1%", LCSC Part Number=C23189, Package=0603, Power=0.1W, Temperature="-55 ~ 155°C", Tolerance=±1%, ComponentLink1Description=Datasheet, ComponentLink1URL=https://datasheet.lcsc.com/szlcsc/1811062009_UNI-ROYAL-Uniroyal-Elec-0603WAF1002T5E_C25804.pdf, Populate=CRITICAL
R14 R22: library part "Res 100K 0603", "Lead Free Thick Film Chip Resistor 0603 ±1%", LCSC Part Number=C25803, Package=0603, Power=0.1W, Temperature="-55 ~ 155°C", Tolerance=±1%, ComponentLink1Description=Datasheet, ComponentLink1URL=https://datasheet.lcsc.com/szlcsc/1811062009_UNI-ROYAL-Uniroyal-Elec-0603WAF1002T5E_C25804.pdf, Populate=CRITICAL
R15 R29: library part "Res 56K 0603", "Lead Free Thick Film Chip Resistor 0603 ±1%", LCSC Part Number=C23206, Package=0603, Power=0.1W, Temperature="-55 ~ 155°C", Tolerance=±1%, ComponentLink1Description=Datasheet, ComponentLink1URL=https://datasheet.lcsc.com/szlcsc/1811062009_UNI-ROYAL-Uniroyal-Elec-0603WAF1002T5E_C25804.pdf, Populate=CRITICAL
R16 R32: library part "Res 8K2 0603", "Lead Free Thick Film Chip Resistor 0603 ±1%", LCSC Part Number=C25981, Package=0603, Power=0.1W, Temperature="-55 ~ 155°C", Tolerance=±1%, ComponentLink1Description=Datasheet, ComponentLink1URL=https://datasheet.lcsc.com/szlcsc/1811062009_UNI-ROYAL-Uniroyal-Elec-0603WAF1002T5E_C25804.pdf, Populate=CRITICAL
S1: library part "SW Toggle Slide Right Angle 0A3 50V", "Switch Toggle Slider THT Right Angle 0A3 50V", Current=0A3, LCSC Part Number=C480340, Voltage=50V, Placement=CRITICAL
TP1 TP2 TP3 TP4 TP5 TP6 TP7 TP8 TP9 TP10 TP11: "Test Point. Multiple pad options."
U1: "100mA, 1V2 - 37V Adjustable Output, Positive Voltage Regulator", LCSC Part Number=C274645, Manufacturer="ON Semiconductor", Supplier Part Number 1=81Y6438, ComponentLink1Description=Datasheet, ComponentLink1URL=https://datasheet.lcsc.com/szlcsc/ON-Semicon-ON-LM317LBDR2G_C274645.pdf, Placement=CRITICAL, Supplier 1=Newark
U2 U4: "1A5 Step-Up, Step-Down, Inverting Switching Reulator", LCSC Part Number=C32078, Manufacturer="ON Semi", Supplier Part Number 1=MC34063ADR2GOSCT-ND, ComponentLink1Description=Datasheet, ComponentLink1URL=https://www.onsemi.com/pdf/datasheet/mc34063a-d.pdf, ComponentLink2Description="Application Note", ComponentLink2URL=https://www.onsemi.com/pub/Collateral/AN920-D.PDF, Placement=CRITICAL, Supplier 1=Digi-Key
U3: "100mA, -1V2 to -37V Adjustable Negative Voltage Regulator", LCSC Part Number=C7947, Manufacturer="Texas Instruments", Supplier Part Number 1=LM337LMXCT-ND, ComponentLink1Description=Datasheet, ComponentLink1URL=https://www.ti.com/lit/ds/symlink/lm337l.pdf?ts=1616125755321&ref_url=https%253A%252F%252Fwww.google.ru%252F, Placement=CRITICAL, Supplier 1=Digi-Key
XW1 XW2 XW3 XW4: "Net Tie 2 Nets"

## Free pads (board coordinates)
  round 0.5 smd: ""(14.976,34.019) ""(15.5,36) ""(16,35)

## Via types
v1: diameter 0.8, hole 0.5, Top Layer to Bottom Layer, tented both sides, 59 vias
v2: diameter 1.2, hole 0.8, Top Layer to Bottom Layer, tented both sides, 8 vias

## Nets (pads, with @x,y where several pads share a name; then routed paths per layer and width w, separated by ;. In a path a pad name is that pad's centre, name@x,y a point inside that pad or via, vN(x,y) a via of type N, cw(c..) or ccw(c..) an arc to the next point about the centre after c; other vN are vias at no path point)
5V_LED_A: D1.A R1.2 | length 1.5
  Top Layer w0.4: D1.A@10.5,26.75 11.975,26.75 R1.2@12,26.775
BOOST_DRIVE: R4.2 U2.8 | length 6.2
  Top Layer w0.6: U2.8@19.75,53.095 20.21,53.095 21.05,53.935 R4.2@21.05,58.45
BOOST_FB: R13.1 R15.1 R17.1 U2.5 | length 4.7
  Top Layer w0.381: R13.1@19.5,58.45 19.625,58.325 19.625,57.006 19.726,56.905 U2.5@19.75,56.905
  Top Layer w0.4: R13.1@19.5,58.45 R17.1@19.5,59.95 R15.1@21.05,59.95
BOOST_SWITCH: D3.2 L1.2 TP3.1 U2.1 | length 13.5
  Top Layer w0.4: TP3.1@30,53.5 30,52.2 30.1,52.1
  Top Layer w0.6: L1.2@24.5,50.45 25.25,51.2 U2.1@25.25,53.095
  Top Layer w1.5: L1.2@24.5,50.45 28.45,50.45 30.1,52.1 D3.2@32.95,52.1
BOOST_VCC: D2.2 L1.1 R4.1 R7.1 XW1.2 | length 40.7
  Top Layer w0.5: R7.1@16.5,43.4 16.775,43.4 17.1,43.725 17.1,44.375 17.7,44.975 XW1.2@17.7,45.3
  Top Layer w0.6: 20.4,43.4 20.4,51.207 22.5,53.307 R4.1@22.5,58.45
  Top Layer w1: R7.1@16.775,43.4 20.4,43.4 23.25,40.55 L1.1@24.5,40.55 L1.1@25.222,40.55
  Top Layer w1.6: L1.1@25.222,40.55 25.872,41.2 25.872,43.672 31,48.8 D2.2@32.95,48.8
BOOST_VCC_N: U2.7 XW1.1 | length 9.6
  Top Layer w0.5: XW1.1@17.7,46.1 18.704,47.104 18.704,52.145 18.54,52.309 18.54,53.81 19.076,54.346 19.731,54.346 U2.7@19.75,54.365
BOOST_VCC_P: C8.1 U2.6 XW2.1 | length 12.2
  Top Layer w0.5: XW2.1@16.9,46.1 16.9,46.622 17.904,47.626 17.904,51.813 17.74,51.977 17.74,54.141 18.324,54.725 18.324,55.285 18.209,55.4 ; C8.1@17.5,56.06 17.5,56.04 17.952,55.588 18.021,55.588 18.209,55.4 ; U2.6@19.285,55.635 19.05,55.4 18.209,55.4
BOOST_VF_FB: Q3.3 R17.2 | length 4.1
  Top Layer w0.4: R17.2@18.05,59.95 18.075,59.95 18.325,60.2 18.325,60.825 20.05,62.55 20.4,62.55 20.5,62.65 Q3.3@20.5,62.825